# Altium PCB RTM_SFP_no-teardrops.PcbDoc (part 4 of 7)
Units mil, origin at the board's own origin, x right, y up, seen from the top; angles counter-clockwise.
Board outline 7185 x 5846.5 mil, 4 copper layers (Top Layer, MidPlane_1, MidPlane_2, Bottom Layer), stack 63.553 mil thick; 389 components, 333 nets, 1578 pads, 1486 vias.
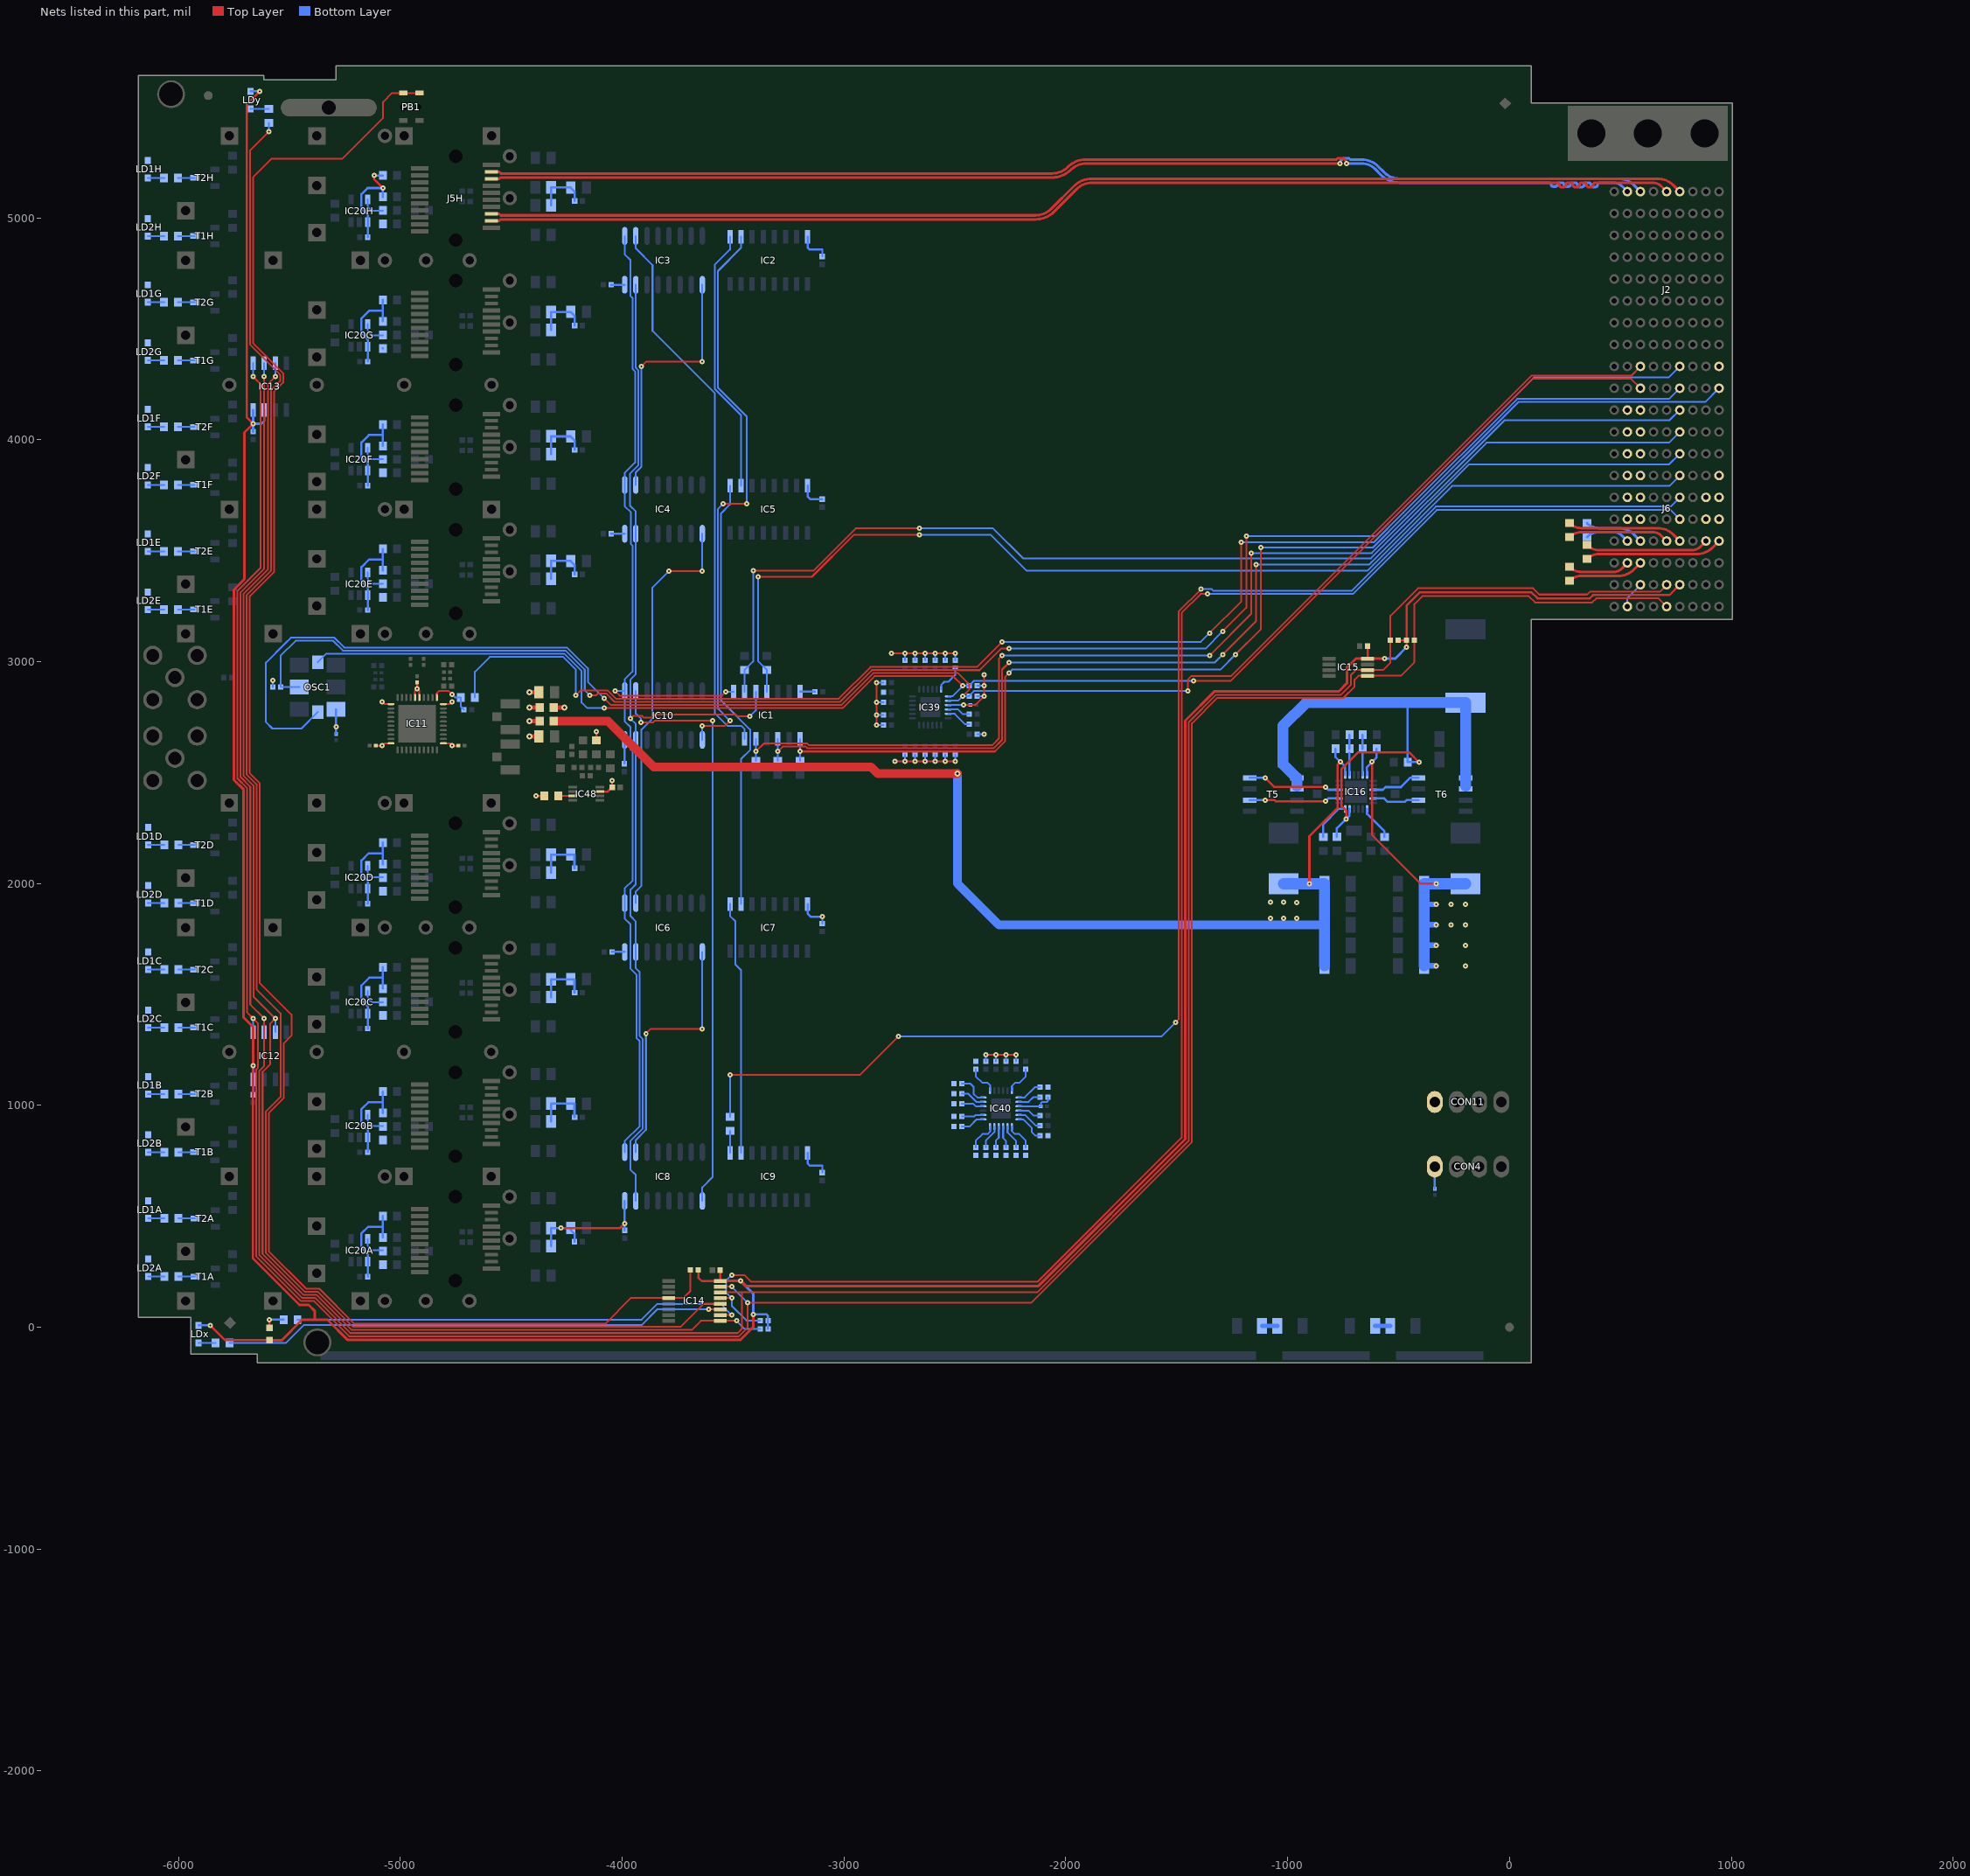
[diagram p6: the nets of this part, all layers, seen from the top]

## Via types
v1: diameter 23.62, hole 7.87, Top Layer to Bottom Layer, tented both sides, 1401 vias
v2: diameter 27.56, hole 11.81, Top Layer to Bottom Layer, tented both sides, 59 vias
v3: diameter 25.98, hole 12.99, Top Layer to Bottom Layer, tented top, 24 vias
v4: diameter 23.62, hole 11.81, Top Layer to Bottom Layer, tented both sides, 2 vias

## Nets (pads, with @x,y where several pads share a name; then routed paths per layer and width w, separated by ;. In a path a pad name is that pad's centre, name@x,y a point inside that pad or via, vN(x,y) a via of type N, cw(c..) or ccw(c..) an arc to the next point about the centre after c; other vN are vias at no path point) (continued)
NetIC1_6: IC1.6 IC3.2 | length 2507.4
  Bottom Layer w7.99: IC3.2@-3938.78,4918.52 -3938.78,4862.4 -3863.39,4787.01 -3863.39,4490.55 -3582.33,4209.49 -3582.33,2766.97 -3524.8,2709.45 -3461.42,2709.45 -3448.03,2696.06 IC1.6@-3448.03,2651.57
NetIC1_8: IC1.8 IC3.1 IC4.1 IC6.1 IC8.1 IC10.1 | length 4876.7
  Top Layer w7.99: v1(-4032.28,2867.32) -4011.48,2846.52 -3549.94,2846.52 v1(-3532.28,2864.17)
  Bottom Layer w7.99: v1(-4032.28,2867.32) IC10.1@-3988.98,2867.32 ; IC8.1@-3988.78,789.38 -3988.78,837.99 -3920.91,905.86 -3920.91,1289.02 -3936.02,1304.13 -3936.02,1589.57 -3963.78,1617.32 -3963.78,1817.32 -3988.78,1842.32 IC6.1@-3988.78,1911.43 -3988.78,1978.15 -3952.77,2014.16 -3952.77,2594.5 -3963.58,2605.31 -3963.58,2706.1 -3988.78,2731.3 IC10.1@-3988.78,2867.13 -3988.78,2919.69 -3953.74,2954.72 -3953.74,3522.64 -3960.78,3529.67 -3960.78,3672.19 -3988.78,3700.2 IC4.1@-3988.78,3796.47 -3988.78,3850.59 -3941.76,3897.61 -3941.76,4307.39 -3952.77,4318.4 -3952.77,4637.81 -3963.58,4648.62 -3963.58,4811.02 -3988.78,4836.22 IC3.1@-3988.78,4918.52 ; v1(-3532.28,2864.17) IC1.8@-3498.03,2864.17
NetIC1_10: IC1.10 IC3.15 IC4.15 IC6.15 IC8.15 IC10.15 | length 4925.3
  Top Layer w7.99: v1(-3963.39,2742.91) -3950.79,2755.51 -3911.02,2755.51 -3902.39,2746.88 -3866.8,2746.88 -3852.87,2760.81 -3487.19,2760.81 -3479.13,2752.76 v1(-3425.2,2752.76)
  Bottom Layer w7.99: IC8.15@-3938.78,569.38 -3938.78,686.02 -3963.78,711.02 -3963.78,838.49 -3906.92,895.35 -3906.92,1297.77 -3921.26,1312.11 -3921.26,1600.39 -3938.78,1617.91 IC6.15@-3938.78,1691.43 -3938.78,1828.94 -3962.6,1852.76 -3962.6,1972.83 -3938.78,1996.65 IC10.15@-3938.78,2647.13 -3938.78,2718.31 v1(-3963.39,2742.91) -3963.39,2918.5 -3938.78,2943.11 IC4.15@-3938.78,3576.47 -3938.78,3676.18 -3964.17,3701.57 -3964.17,3847.64 -3927.77,3884.04 -3927.77,4313.19 -3938.78,4324.19 IC3.15@-3938.78,4698.52 ; v1(-3425.2,2752.76) -3398.03,2779.92 IC1.10@-3398.03,2864.17
NetIC2_9: IC2.9 IC5.10 | length 1199.5
  Bottom Layer w7.99: IC2.9@-3514.17,4914.82 -3514.17,4857.09 -3582.68,4788.58 -3582.68,4229.63 -3464.17,4111.13 IC5.10@-3464.17,3792.77
NetIC2_10: IC2.10 IC10.9 | length 2613.9
  Top Layer w7.99: v1(-3638.78,2710.83) -3536.81,2710.83 v1(-3514.17,2733.46) ; v1(-3544.49,3712.2) v1(-3438.98,3712.2)
  Bottom Layer w7.99: IC10.9@-3638.78,2647.13 v1(-3638.78,2710.83) ; v1(-3544.49,3712.2) -3568.33,3688.36 -3568.33,2787.63 v1(-3514.17,2733.46) ; IC2.10@-3464.17,4914.82 -3464.17,4864.57 -3568.69,4760.06 -3568.69,4235.43 -3438.98,4105.72 v1(-3438.98,3712.2)
NetIC3_9: IC3.9 IC4.2 | length 1174.8
  Top Layer w7.99: v1(-3913.78,4330.03) -3892.24,4351.57 v1(-3638.78,4351.57)
  Bottom Layer w7.99: IC4.2@-3938.78,3796.47 -3938.78,3853.24 -3913.78,3878.24 v1(-3913.78,4330.03) ; v1(-3638.78,4351.57) IC3.9@-3638.78,4698.52
NetIC4_9: IC4.9 IC6.2 | length 1877.2
  Top Layer w7.99: v1(-3788.78,3408.66) v1(-3638.78,3408.66)
  Bottom Layer w7.99: IC6.2@-3938.78,1911.43 -3938.78,1963.58 -3912.99,1989.37 -3912.99,2693.7 -3864.17,2742.52 -3864.17,3333.27 v1(-3788.78,3408.66) ; v1(-3638.78,3408.66) IC4.9@-3638.78,3576.47
NetIC5_9: IC5.9 IC7.10 | length 1972.6
  Bottom Layer w7.99: IC5.9@-3514.17,3792.77 -3514.17,3708.27 -3554.34,3668.1 -3554.34,2824.42 -3423.62,2693.7 -3423.62,2601.57 -3464.17,2561.02 IC7.10@-3464.17,1907.72
NetIC6_9: IC6.9 IC8.2 | length 1162.6
  Top Layer w7.99: v1(-3892.93,1322.94) -3871.39,1344.48 v1(-3638.78,1344.48)
  Bottom Layer w7.99: IC8.2@-3938.78,789.38 -3938.78,843.7 -3892.93,889.55 v1(-3892.93,1322.94) ; v1(-3638.78,1344.48) IC6.9@-3638.78,1691.43
NetIC7_9: IC7.9 IC9.10 | length 1142.8
  Bottom Layer w7.99: IC7.9@-3514.17,1907.72 -3514.17,1854.33 -3488.98,1829.13 -3488.98,1633.86 -3464.17,1609.06 IC9.10@-3464.17,785.68
NetIC8_9: IC8.9 IC10.2 | length 2659.8
  Top Layer w7.99: v1(-3914.96,2725.59) -3860.63,2725.59 -3852.76,2733.46 v1(-3592.91,2733.46)
  Bottom Layer w7.99: IC10.2@-3938.78,2867.13 -3938.78,2766.34 -3914.96,2742.52 v1(-3914.96,2725.59) ; IC8.9@-3638.78,569.38 -3638.78,630.12 -3592.91,675.98 v1(-3592.91,2733.46)
NetIC9_9: IC9.9 R6.1 | length 98.6
  Bottom Layer w7.99: IC9.9@-3514.17,785.68 R6.1@-3514.17,884.25
NetIC11_1: IC11.1 R30.2 R391.1 | length 205.5
  Top Layer w7.99: IC11.1@-4835.83,2838.19 -4835.83,2857.87 -4826.38,2867.32 -4782.09,2867.32 v1(-4766.54,2851.77)
  Bottom Layer w7.99: v1(-4766.54,2851.77) -4752.95,2838.19 R391.1@-4726.77,2838.19 -4726.77,2796.85 R30.2@-4712.99,2783.07
NetIC12_1: IC12.1 IC13.1 IC14.15 IC15.5 J6.D1 R32.2 | length 13607.7
  Top Layer w7.99: v1(-5663.8,4284.63) -5630.71,4251.54 -5630.71,3421.61 -5734.65,3317.67 -5734.65,2473.67 -5690.58,2429.61 -5690.58,1418.25 v1(-5663.8,1391.46) -5641.99,1369.66 -5641.99,1169.83 -5649.46,1162.36 -5649.46,318.71 -5448.21,117.47 -5389.16,117.47 -5231.22,-40.46 -3473.54,-40.46 -3433.86,-0.79 v1(-3433.86,110.24) -2156.61,110.24 -1431.92,834.93 -1431.92,2721.26 -1316.53,2836.64 -748.4,2836.64 -698.82,2886.22 -698.82,2918.5 -680.91,2936.42 IC15.5@-639.37,2936.42 -488.78,2936.42 -428.74,2996.46 R32.2@-428.74,3096.06 -428.74,3259.45 -392.91,3295.28 87.01,3295.28 115.93,3266.35 194.06,3266.35 194.27,3266.14 372.63,3266.14 391.31,3284.81 671.88,3284.81 J6.D1@708.66,3248.03 ; IC14.15@-3558.27,182.48 v1(-3506.1,182.48)
  Bottom Layer w7.99: IC12.1@-5663.8,1330.17 v1(-5663.8,1391.46) ; v1(-5663.8,4284.63) IC13.1@-5663.8,4345.92 ; v1(-3506.1,182.48) v1(-3433.86,110.24)
NetIC12_2: IC12.2 IC13.2 IC14.14 IC15.6 J6.D2 R31.2 | length 13538.3
  Top Layer w7.99: v1(-5613.8,4284.63) -5613.8,3418.73 -5720.65,3311.87 -5720.65,2479.47 -5676.59,2435.4 -5676.59,1454.26 v1(-5613.8,1391.46) -5613.8,1178.24 -5635.46,1156.57 -5635.46,324.51 -5442.42,131.46 -5383.36,131.46 -5225.43,-26.47 -3479.62,-26.47 -3460.24,-7.09 -3460.24,156.89 ; IC14.14@-3558.27,156.89 -3460.24,156.89 ; J6.D2@708.66,3346.46 677.01,3314.81 362.44,3314.81 350,3302.36 134.25,3302.36 106.3,3330.31 -412.99,3330.31 -537.02,3206.29 R31.2@-537.02,3096.06 -537.02,2995.66 -570.67,2962.01 IC15.6@-639.37,2962.01 -692.32,2962.01 -715.71,2938.62 -715.71,2894.52 -759.6,2850.63 -1322.33,2850.63 -1445.91,2727.05 -1445.91,840.73 -2129.75,156.89 -3460.24,156.89
  Bottom Layer w7.99: IC12.2@-5613.8,1330.17 v1(-5613.8,1391.46) ; v1(-5613.8,4284.63) IC13.2@-5613.8,4345.92
NetIC12_3: IC12.3 IC13.3 IC14.9 R14.2 | length 6636.3
  Top Layer w7.99: v1(-5563.8,4284.63) -5597.64,4250.79 -5597.64,3415.1 -5706.66,3306.08 -5706.66,2485.26 -5662.6,2441.2 -5662.6,1490.27 v1(-5563.8,1391.46) -5587.8,1367.46 -5587.8,1184.45 -5621.47,1150.77 -5621.47,330.31 -5436.62,145.46 -5377.57,145.46 -5219.63,-12.48 -3686.5,-12.48 -3645.08,28.94 IC14.9@-3558.27,28.94 v1(-3484.84,28.94)
  Bottom Layer w7.99: IC12.3@-5563.8,1330.17 v1(-5563.8,1391.46) ; v1(-5563.8,4284.63) IC13.3@-5563.8,4345.92 ; v1(-3484.84,28.94) -3448.82,-7.09 R14.2@-3378.35,-7.09
NetIC14_4: IC14.4 PB1.1 PB1.2 R16.2 | length 8220.5
  Top Layer w7.99: PB1.2@-4914.42,5562.46 PB1.1@-4987.26,5562.46 -5037.54,5562.46 -5077.95,5522.05 -5077.95,5450.39 -5262.2,5266.14 -5581.39,5266.14 -5664.07,5183.46 -5664.07,4435.53 -5528,4299.46 -5528,4257.91 -5569.65,4216.25 -5569.65,3403.51 -5678.68,3294.49 -5678.68,2496.85 -5634.61,2452.79 -5634.61,1552.33 -5490.94,1408.66 -5490.94,1314.35 -5526.56,1278.74 -5526.56,1032 -5593.49,965.07 -5593.49,341.9 -5425.03,173.44 -5365.98,173.44 -5208.04,15.5 -4077.02,15.5 -3961.22,131.3 IC14.4@-3790.55,131.3 -3725,131.3 -3692.52,163.78 R16.2@-3692.52,257.48
NetIC16_2: IC16.2 R195.2 R248.2 | length 161.8
  Bottom Layer w10: IC16.2@-720.87,2489.37 R195.2@-720.87,2588.19 ; R195.2@-720.87,2607.48 R248.2@-720.87,2670.47
NetIC16_5: IC16.5 R18.2 R53.1 | length 161.8
  Bottom Layer w10: IC16.5@-661.81,2489.37 R53.1@-661.81,2588.19 ; R53.1@-661.81,2607.48 R18.2@-661.81,2670.47
NetIC16_9: IC16.9 T6.4 | length 226.4
  Bottom Layer w10: IC16.9@-614.57,2422.44 -570.87,2422.44 -559.06,2434.25 -489.76,2434.25 -448.23,2475.79 T6.4@-410.24,2475.79
NetIC16_11: IC16.11 T6.2 | length 214
  Bottom Layer w10: IC16.11@-614.57,2383.07 -564.17,2383.07 -548.82,2367.72 -472.05,2367.72 -463.98,2375.79 T6.2@-410.24,2375.79
NetIC16_13: IC16.13 R246.2 | length 158.6
  Bottom Layer w10: IC16.13@-642.13,2335.83 -642.13,2313.39 -563.39,2234.65 R246.2@-563.39,2209.84
NetIC16_18: IC16.18 R54.1 | length 184.7
  Bottom Layer w10: R54.1@-839.37,2209.84 -839.37,2267.32 -770.87,2335.83 IC16.18@-740.55,2335.83
NetIC16_20: IC16.20 T5.2 | length 410.2
  Top Layer w10: v1(-1100.98,2375.79) -1059.65,2375.79 -1054.72,2370.87 v1(-829.13,2370.87)
  Bottom Layer w10: T5.2@-1171.26,2375.79 v1(-1100.98,2375.79) ; v1(-829.13,2370.87) -816.93,2383.07 IC16.20@-768.11,2383.07
NetIC16_22: IC16.22 T5.4 | length 425.2
  Top Layer w10: v1(-1100.98,2475.79) -1059.84,2434.65 v1(-829.13,2434.65)
  Bottom Layer w10: T5.4@-1171.26,2475.79 v1(-1100.98,2475.79) ; v1(-829.13,2434.65) -816.93,2422.44 IC16.22@-768.11,2422.44
NetIC20A_5: IC20A.5 R109A.1 | length 107.5
  Bottom Layer w7.99: IC20A.5@-5146.85,397.59 -5146.85,373.69 ccw(c-5119.97,373.69) -5138.99,354.69 ccw(c-5119.02,374.63) -5119.02,346.41 R109A.1@-5078.74,346.41
NetIC20B_5: IC20B.5 R109B.1 | length 107.5
  Bottom Layer w7.99: IC20B.5@-5146.85,958.66 -5146.85,934.76 ccw(c-5119.97,934.76) -5138.99,915.76 ; -5138.98,915.75 ccw(c-5119.02,935.71) -5119.02,907.48 R109B.1@-5078.74,907.48
NetIC20C_5: IC20C.5 R109C.1 | length 107.5
  Bottom Layer w7.99: IC20C.5@-5146.85,1515.75 -5146.85,1491.84 ccw(c-5119.97,1491.84) -5138.99,1472.85 ccw(c-5119.02,1492.79) -5119.02,1464.57 R109C.1@-5078.74,1464.57
NetIC20D_5: IC20D.5 R109D.1 | length 107.5
  Bottom Layer w7.99: IC20D.5@-5146.85,2078.74 -5146.85,2054.84 ccw(c-5119.97,2054.84) -5138.99,2035.84 ccw(c-5119.02,2055.79) -5119.02,2027.56 R109D.1@-5078.74,2027.56
NetIC20E_5: IC20E.5 R109E.1 | length 107.5
  Bottom Layer w7.99: IC20E.5@-5146.85,3401.58 -5146.85,3377.67 ccw(c-5119.97,3377.67) -5138.99,3358.68 ccw(c-5119.02,3378.62) -5119.02,3350.39 R109E.1@-5078.74,3350.39
NetIC20F_5: IC20F.5 R109F.1 | length 107.5
  Bottom Layer w7.99: IC20F.5@-5146.85,3962.99 -5146.85,3939.09 ccw(c-5119.97,3939.09) -5138.99,3920.09 ccw(c-5119.02,3940.04) -5119.02,3911.81 R109F.1@-5078.74,3911.81
NetIC20G_5: IC20G.5 R109G.1 | length 107.5
  Bottom Layer w7.99: IC20G.5@-5146.85,4522.05 -5146.85,4498.14 ccw(c-5119.97,4498.14) -5138.99,4479.15 ccw(c-5119.02,4499.09) -5119.02,4470.87 R109G.1@-5078.74,4470.87
NetIC20H_5: IC20H.5 R109H.1 | length 107.5
  Bottom Layer w7.99: IC20H.5@-5146.85,5082.68 -5146.85,5058.77 ccw(c-5119.97,5058.77) -5138.99,5039.78 ccw(c-5119.02,5059.72) -5119.02,5031.5 R109H.1@-5078.74,5031.5
NetIC39_18: IC39.18 R328.2 | length 132.5
  Bottom Layer w7.99: IC39.18@-2561.76,2874.81 -2561.76,2894.94 -2547.64,2909.06 -2528.94,2909.06 -2498.82,2939.17 R328.2@-2498.82,2970.28
NetIC39_22: IC39.22 R326.2 | length 104.5
  Bottom Layer w7.99: IC39.22@-2530.26,2784.26 -2486.23,2784.26 -2464.76,2762.8 R326.2@-2434.65,2762.8
NetIC39_23: IC39.23 R327.2 | length 115
  Bottom Layer w7.99: IC39.23@-2530.26,2764.57 -2501.19,2764.57 -2454.33,2717.72 R327.2@-2434.65,2717.72
NetIC40_1: IC40.1 R337.1 | length 132.7
  Bottom Layer w7.99: IC40.1@-2243.31,905.12 -2243.31,884.78 -2229.19,870.66 -2210.49,870.66 -2180.37,840.54 R337.1@-2180.37,809.44
NetIC40_2: IC40.2 R338.1 | length 111.2
  Bottom Layer w7.99: IC40.2@-2262.99,905.12 -2262.99,878.09 -2225.45,840.54 R338.1@-2225.45,809.44
NetIC40_3: IC40.3 R339.1 | length 100.7
  Bottom Layer w7.99: IC40.3@-2282.68,905.12 -2282.68,852.69 -2270.53,840.54 R339.1@-2270.53,809.44
NetIC40_4: IC40.4 R340.1 | length 101.2
  Bottom Layer w7.99: R340.1@-2315.8,809.44 -2315.8,840.54 -2302.36,853.98 IC40.4@-2302.36,905.12
NetIC40_5: IC40.5 R341.1 | length 111.8
  Bottom Layer w7.99: R341.1@-2361.08,809.44 -2361.08,840.54 -2322.05,879.57 IC40.5@-2322.05,905.12
NetIC40_6: IC40.6 R342.1 | length 136.2
  Bottom Layer w7.99: R342.1@-2406.16,809.44 -2406.16,840.54 -2376.04,870.66 -2352.42,870.66 -2341.73,881.35 IC40.6@-2341.73,905.12
NetIC40_7: IC40.7 R343.1 | length 108.4
  Bottom Layer w7.99: R343.1@-2468.76,905.5 -2433.13,905.5 -2402.02,936.61 IC40.7@-2373.23,936.61
NetIC40_8: IC40.8 R344.1 | length 97.9
  Bottom Layer w7.99: R344.1@-2468.76,950.58 -2412.06,950.58 -2406.35,956.3 IC40.8@-2373.23,956.3
NetIC40_10: IC40.10 R350.1 | length 100.4
  Bottom Layer w7.99: R350.1@-2468.76,1007.47 -2418.56,1007.47 -2406.76,995.67 IC40.10@-2373.23,995.67
NetIC40_11: IC40.11 R351.1 | length 111
  Bottom Layer w7.99: R351.1@-2468.76,1052.75 -2441.39,1052.75 -2404,1015.35 IC40.11@-2373.23,1015.35
NetIC40_12: IC40.12 R352.1 | length 140.2
  Bottom Layer w7.99: R352.1@-2468.76,1097.83 -2429.78,1097.83 -2416.2,1084.24 -2416.2,1052.35 -2398.88,1035.04 IC40.12@-2373.23,1035.04
NetIC40_13: IC40.13 R353.1 | length 136.2
  Bottom Layer w7.99: R353.1@-2406.16,1162.2 -2406.16,1131.09 -2376.04,1100.98 -2352.42,1100.98 -2341.73,1090.29 IC40.13@-2341.73,1066.54
NetIC40_18: IC40.18 R349.2 | length 132.7
  Bottom Layer w7.99: IC40.18@-2243.31,1066.54 -2243.31,1086.86 -2229.19,1100.98 -2210.49,1100.98 -2180.37,1131.09 R349.2@-2180.37,1162.2
NetIC40_19: IC40.19 R346.1 | length 115.2
  Bottom Layer w7.99: IC40.19@-2211.81,1035.04 -2185.87,1035.04 -2138.64,1082.28 R346.1@-2116.2,1082.28
NetIC40_20: IC40.20 R345.1 | length 104.5
  Bottom Layer w7.99: IC40.20@-2211.81,1015.35 -2167.76,1015.35 -2146.31,1036.8 R345.1@-2116.2,1036.8
NetIC40_22: IC40.22 R347.2 | length 104.5
  Bottom Layer w7.99: IC40.22@-2211.81,975.98 -2167.78,975.98 -2146.31,954.52 R347.2@-2116.2,954.52
NetIC40_23: IC40.23 R348.2 | length 115
  Bottom Layer w7.99: IC40.23@-2211.81,956.3 -2183.53,956.3 -2136.67,909.44 R348.2@-2116.2,909.44
NetIC40_24: IC40.24 R29.1 | length 136.9
  Bottom Layer w7.99: IC40.24@-2211.81,936.61 -2191.4,936.61 -2153.99,899.2 -2153.99,879.91 -2138.24,864.17 R29.1@-2116.2,864.17
NetIC48_3: IC48.3 R27.1 | length 65
  Top Layer w7.99: R27.1@-4287.4,2394.09 IC48.3@-4222.44,2394.09
NetJ6_a4: J6.A4 R33.2 | length 621.5
  Top Layer w12: R33.2@349.21,3462.6 cw(c402.71,3409.11) 402.71,3484.76 844.91,3484.76 ccw(c844.91,3584.76) 915.62,3514.05 J6.A4@944.88,3543.31
NetJ6_b4: J6.B4 R33.1 | length 557.3
  Top Layer w12: R33.1@349.21,3525.59 ccw(c404.34,3580.72) 404.34,3502.76 824.37,3502.76 ccw(c824.37,3553.23) 860.06,3517.54 J6.B4@885.83,3543.31
NetJ6_c4: J6.C4 R34.2 | length 523.5
  Top Layer w12: R34.2@270.08,3624.02 ccw(c323.57,3677.51) 323.57,3601.86 667.74,3601.86 cw(c667.74,3501.86) 738.45,3572.57 J6.C4@767.72,3543.31
NetJ6_d4: J6.D4 R34.1 | length 459.3
  Top Layer w12: R34.1@270.08,3561.02 cw(c325.21,3505.9) 325.21,3583.86 647.2,3583.86 cw(c647.2,3533.39) 682.89,3569.08 J6.D4@708.66,3543.31
NetJ6_e2: J6.E2 J6.F1 | length 122.9
  Bottom Layer w7.99: J6.F1@531.5,3248.03 531.5,3287.4 J6.E2@590.55,3346.46
NetJ6_e3: J6.E3 R36.2 | length 346.3
  Top Layer w12: R36.2@270.08,3364.17 cw(c323.57,3310.68) 323.57,3386.33 490.58,3386.33 ccw(c490.58,3486.33) 561.29,3415.62 J6.E3@590.55,3444.88
NetJ6_e4: J6.E4 R35.2 | length 267.2
  Bottom Layer w12: R35.2@349.21,3624.02 ccw(c402.71,3677.51) 402.71,3601.86 490.58,3601.86 cw(c490.58,3501.86) 561.29,3572.57 J6.E4@590.55,3543.31
NetJ6_f3: J6.F3 R36.1 | length 282.1
  Top Layer w12: R36.1@270.08,3427.17 ccw(c325.21,3482.29) 325.21,3404.33 470.04,3404.33 ccw(c470.04,3454.8) 505.73,3419.11 J6.F3@531.5,3444.88
NetJ6_f4: J6.F4 R35.1 | length 203
  Bottom Layer w12: R35.1@349.21,3561.02 cw(c404.34,3505.9) 404.34,3583.86 470.04,3583.86 cw(c470.04,3533.39) 505.73,3569.08 J6.F4@531.5,3543.31
NetLD1A_1: LD1A.1 R1A.2 | length 73.8
  Bottom Layer w7.99: LD1A.1@-6137.22,490.11 R1A.2@-6063.4,490.11
NetLD1B_1: LD1B.1 R1B.2 | length 73.8
  Bottom Layer w7.99: LD1B.1@-6137.8,1051.18 R1B.2@-6063.98,1051.18
NetLD1C_1: LD1C.1 R1C.2 | length 73.8
  Bottom Layer w7.99: LD1C.1@-6137.8,1612.2 R1C.2@-6063.98,1612.2
NetLD1D_1: LD1D.1 R1D.2 | length 73.8
  Bottom Layer w7.99: LD1D.1@-6137.8,2173.23 R1D.2@-6063.98,2173.23
NetLD1E_1: LD1E.1 R1E.2 | length 73.8
  Bottom Layer w7.99: LD1E.1@-6138.78,3497.05 R1E.2@-6064.96,3497.05
NetLD1F_1: LD1F.1 R1F.2 | length 73.8
  Bottom Layer w7.99: LD1F.1@-6138.78,4058.07 R1F.2@-6064.96,4058.07
NetLD1G_1: LD1G.1 R1G.2 | length 73.8
  Bottom Layer w7.99: LD1G.1@-6138.78,4619.09 R1G.2@-6064.96,4619.09
NetLD1H_1: LD1H.1 R1H.2 | length 73.8
  Bottom Layer w7.99: LD1H.1@-6138.78,5180.12 R1H.2@-6064.96,5180.12
NetLD2A_1: LD2A.1 R11A.2 | length 73.8
  Bottom Layer w7.99: LD2A.1@-6137.22,228.3 R11A.2@-6063.4,228.3
NetLD2B_1: LD2B.1 R11B.2 | length 73.8
  Bottom Layer w7.99: LD2B.1@-6137.8,789.37 R11B.2@-6063.98,789.37
NetLD2C_1: LD2C.1 R11C.2 | length 73.8
  Bottom Layer w7.99: LD2C.1@-6137.8,1350.39 R11C.2@-6063.98,1350.39
NetLD2D_1: LD2D.1 R11D.2 | length 73.8
  Bottom Layer w7.99: LD2D.1@-6137.8,1911.42 R11D.2@-6063.98,1911.42
NetLD2E_1: LD2E.1 R11E.2 | length 73.8
  Bottom Layer w7.99: LD2E.1@-6138.78,3235.24 R11E.2@-6064.96,3235.24
NetLD2F_1: LD2F.1 R11F.2 | length 73.8